# KiCad board jetson-nano-baseboard.kicad_pcb (continued)
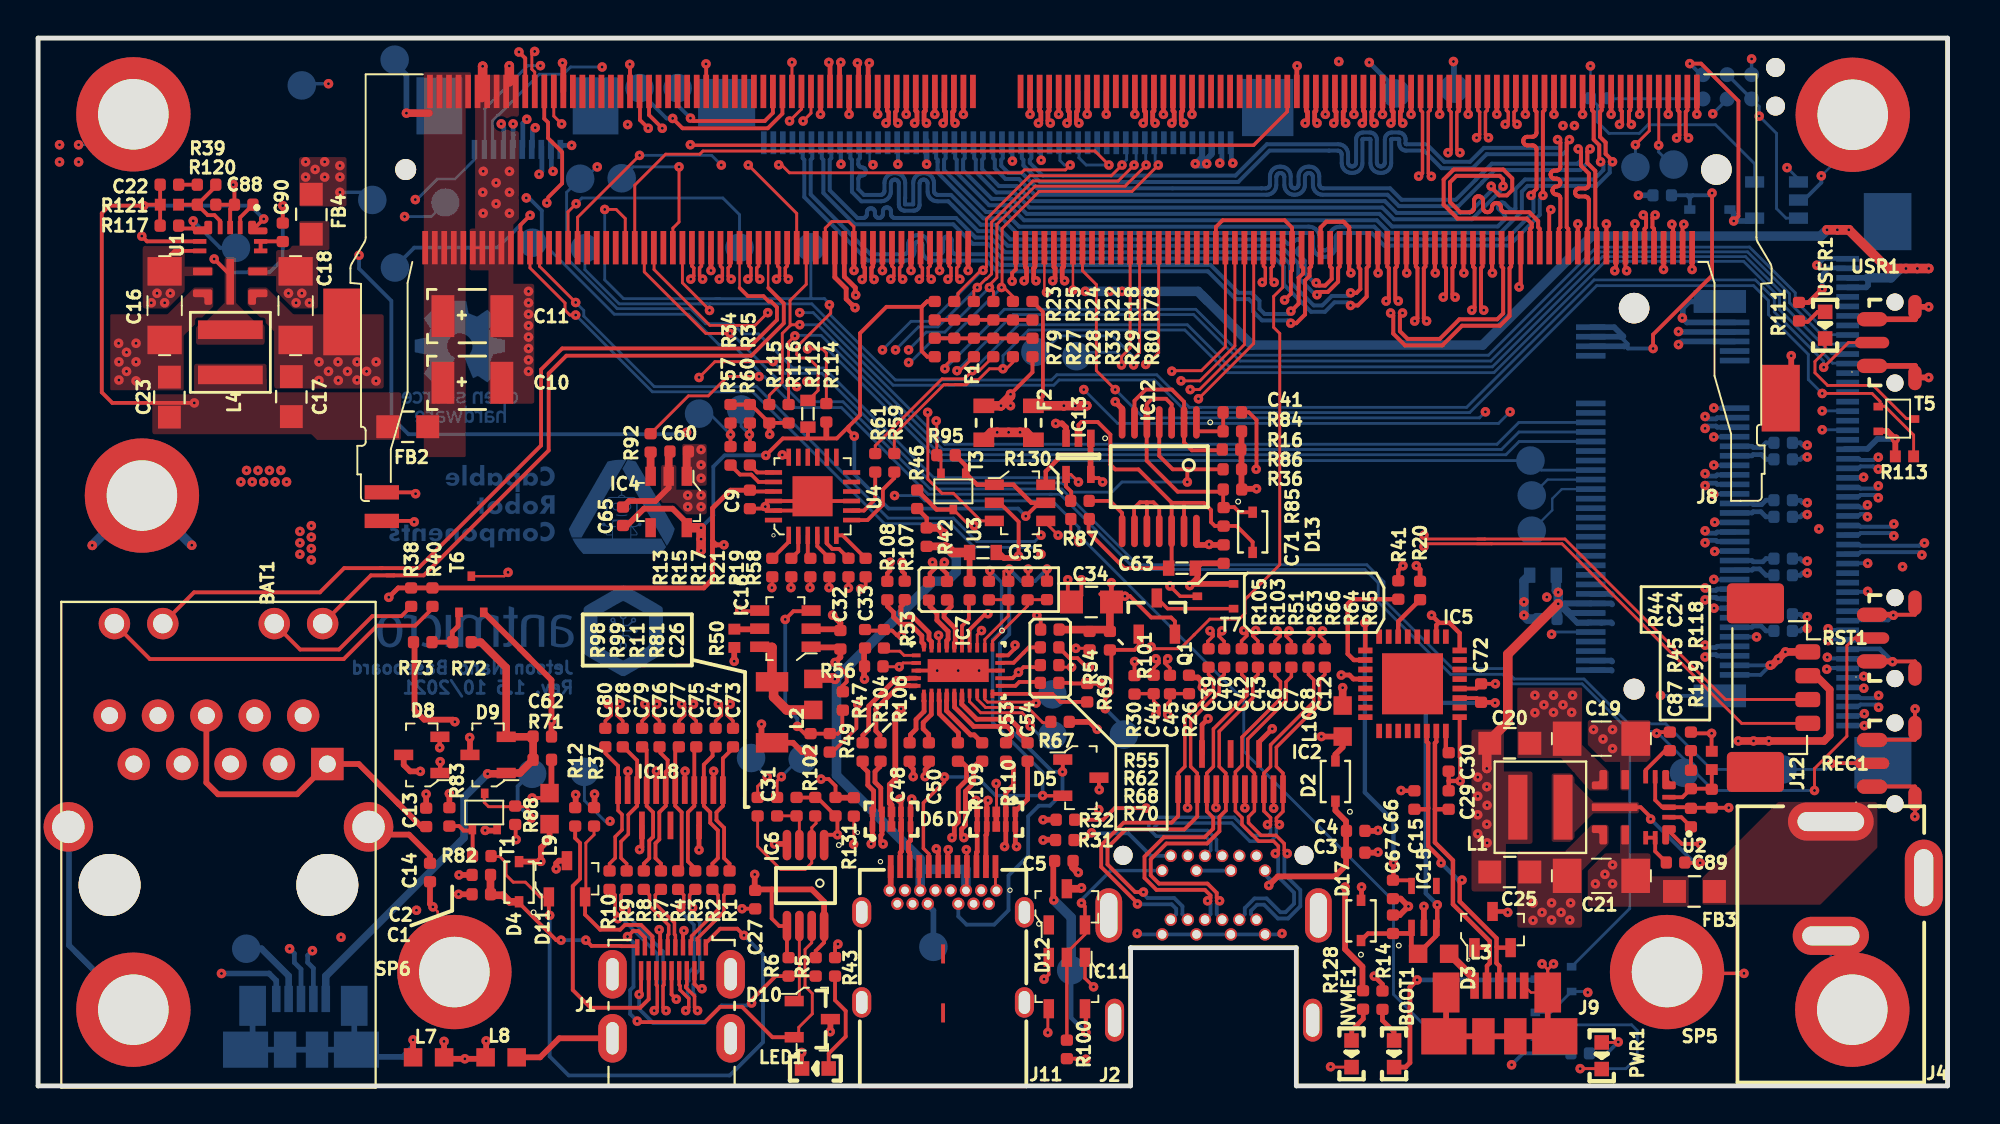
[diagram p0: board, top side]
## Routing (per net, layer and track width the routed paths; a pad name or vN(x,y) marks a point on that pad's centre or on a via; arc(x,y) is an arc through that point) (continued)
Net-(R72-Pad2): length 2.7
  Top w0.25: 20.67,23.29 21.77,23.29 21.74,23.32 21.74,23.83 22.04,24.13 22.04,24.81
Net-(R82-Pad2): length 2.6
  Top w0.2: 21.59,13.64 21.59,13.64 22.1,13.64 22.33,13.4 22.77,13.4 22.81,13.36 22.81,12.07
Net-(R111-Pad1): length 1.6
  Top w0.2: 92.43,40.16 92.48,40.11 92.89,40.11 93.41,40.63 USER1.A
Net-(R132-Pad2): length 5.4
  Bottom w0.15: 86.13,51.82 85.95,51.82 ; 85.95,51.82 82.47,51.82 82.45,51.84 ; 85.95,51.82 87.38,51.82 TP30.2 ; 87.39,51.82 87.39,51.53
Net-(T5-Pad3): length 8.3
  Top w0.15: USER1.K 93.8,38.56 93.27,38.02 93.27,37.43 93.93,36.77 96.33,36.77 98.07,35.03 98.58,35.03

## Copper pours and planes (outline as drawn; the poured copper is in the pictures)
3V3_SYS on Top: 76.94,16.51 78.44,16.51 78.44,12.71 77.04,12.71 77.04,10.21 75.24,10.21 75.24,18.71 76.94,18.71
3V3_SYS on Bottom: 84.5,38.78 84.5,21.3 82.5,21.28 82.5,39.98 83,39.98
3V3_SYS on In5_3V3_SYS_SIGNAL.Cu: 76.74,12.31 76.74,20.01 73.54,23.21 59.24,23.21 56.84,25.6 41.7,25.6 39.34,27.94 39.34,34.24 38.8,34.78 35.64,34.78 35.34,34.51 35.34,28.31 37.87,25.86 38.78,24.92 38.81,13.78 39.79,12.78 42.06,12.78 43.1,13.79 43.1,14.86 45.11,16.87 69.94,16.91 74.54,12.31
5V0_SYS on Top: 35.1,31.5 33.8,31.5 33.8,33.7 35.1,33.7
5V0_SYS on Top: 8.19,36.31 8.19,37.91 11.99,37.91 12.02,36.41 19.07,36.41 19.04,33.91 14.64,33.91 14.34,34.21 5.99,34.21 5.99,36.31
5V0_SYS on Bottom: 10.95,27.27 14.64,27.27 14.64,29.73 10.95,29.73
5V0_SYS on In1_5V0_SYS_VIN.Cu: 63.3,48.42 63.3,46.2 63.31,46.16 63.32,46.12 63.35,46.09 63.38,46.07 63.42,46.05 63.46,46.05 89.04,46.05 90.67,44.41 90.67,43.59 90.68,43.55 90.69,43.51 90.72,43.48 90.75,43.46 90.79,43.44 90.83,43.44 93.89,43.44 94.03,43.3 94.03,41.62 93.89,41.48 90.83,41.48 90.79,41.47 90.75,41.46 90.72,41.43 90.69,41.4 90.68,41.36 90.67,41.33 90.68,41.31 90.68,19.84 90.68,19.8 90.7,19.76 90.72,19.73 91.29,19.17 91.29,17.57 89.09,15.38 89.07,15.35 89.05,15.31 89.05,15.27 89.05,0.51 66.66,0.51 66.66,7.4 66.65,7.49 66.62,7.59 66.57,7.68 66.51,7.76 66.43,7.82 66.34,7.87 66.25,7.9 66.15,7.91 64.79,7.91 64.79,8.5 58.59,8.5 58.59,7.91 57.26,7.91 57.16,7.9 57.06,7.87 56.97,7.82 56.9,7.76 56.83,7.68 56.79,7.59 56.76,7.49 56.75,7.4 56.75,0.51 0.51,0.51 0.51,46 8.63,46 8.63,31.36 8.64,31.32 8.65,31.28 8.68,31.25 8.71,31.23 8.75,31.21 8.79,31.21 14.63,31.21 14.67,31.21 14.7,31.23 14.73,31.25 14.76,31.28 14.77,31.32 14.78,31.36 14.78,46.05 60.58,46.05 60.62,46.05 60.65,46.07 60.68,46.09 60.71,46.12 60.72,46.16 60.73,46.2 60.73,48.4 61.05,48.72 63,48.72
/Supply/3V3_SW on Top: 80.64,15.91 81.64,14.91 84.04,14.91 84.04,14.31 81.64,14.31 80.64,13.31 80.64,12.81 79.44,12.81 79.44,16.41 80.64,16.41
/Supply/3V3_VIN on Top: 81.34,11.31 82.24,12.21 83.04,12.21 83.04,13.71 83.54,13.71 83.54,12.21 84.64,12.21 84.64,11.01 86.64,11.01 86.64,9.41 81.34,9.41
/Supply/3V3_VIN on Top: 84.64,17.01 83.54,17.01 83.54,15.51 83.04,15.51 83.04,17.01 82.24,17.01 81.34,17.91 81.34,19.21 84.64,19.21
/Supply/3V3_VIN on In5_3V3_SYS_SIGNAL.Cu: 83.04,10.31 81.34,10.31 81.34,19.01 83.04,19.01
/Supply/5V_SW on Top: 8.79,40.11 9.79,41.11 9.79,43.51 10.39,43.51 10.39,41.11 11.39,40.11 11.89,40.11 11.89,38.91 8.29,38.91 8.29,40.11
/Supply/5V_VIN on Top: 13.39,40.81 12.49,41.71 12.49,42.51 10.99,42.51 10.99,43.01 12.49,43.01 12.49,44.11 13.69,44.11 13.69,45.41 15.29,45.41 15.29,43.86 14.69,43.86 14.69,40.81
/Supply/5V_VIN on Top: 7.69,44.11 7.69,43.01 9.19,43.01 9.19,42.51 7.69,42.51 7.69,41.71 6.79,40.81 5.49,40.81 5.49,44.11
/Supply/5V_VIN on Bottom: 15.34,40.61 4.54,40.61 5.94,42.01 13.94,42.01
GND on Top: 80.14,12.31 81.54,13.71 82.44,13.71 82.44,12.71 81.04,11.31 81.04,8.31 77.64,8.31 77.64,12.31
GND on Top: 81.04,17.91 82.44,16.51 82.44,15.51 81.44,15.51 79.94,17.21 77.64,17.21 77.64,20.91 81.04,20.91
GND on Top: 33.5,31.3 35.1,31.3 35.1,30 32.7,30 32.7,32.6 33.5,32.6
GND on Top: 25.23,53.08 22.94,53.08 22.94,45.01 22.64,45.01 22.64,42.81 23.64,42.81 23.64,35.81 26.04,35.81 26.04,42.11 24.94,42.11 24.94,45.21 25.24,45.51
GND on Top: 6.79,40.51 8.19,41.91 9.19,41.91 9.19,40.91 7.64,39.38 7.64,36.51 3.79,36.52 3.79,40.51
GND on Top: 12.39,39.61 10.99,41.01 10.99,41.91 11.99,41.91 13.39,40.51 18.14,40.51 18.14,36.61 12.39,36.61
GND on In4_GND.Cu: 99.72,0.51 66.66,0.51 66.66,7.4 66.65,7.49 66.62,7.59 66.57,7.68 66.51,7.76 66.43,7.82 66.34,7.87 66.25,7.9 66.15,7.91 64.79,7.91 64.79,8.5 58.59,8.5 58.59,7.91 57.26,7.91 57.16,7.9 57.06,7.87 56.97,7.82 56.9,7.76 56.83,7.68 56.79,7.59 56.76,7.49 56.75,7.4 56.75,0.51 39.02,0.51 39.02,7.75 39.01,7.85 39,8.6 38.8,8.8 38.75,8.8 28.05,8.75 28.02,10.9 28.01,10.95 27.98,10.99 27.94,11.02 27.89,11.03 25.99,11.03 25.94,11.02 25.9,10.99 25.88,10.95 25.87,10.9 25.87,0.51 18.78,0.51 19.4,1.13 19.42,1.16 19.43,1.2 19.43,25.03 19.44,25.05 19.45,25.1 19.44,25.15 19.42,25.19 19.37,25.22 19.33,25.23 0.51,25.23 0.51,54.49 99.72,54.49
GND on In6_GND.Cu: 99.74,0.51 66.68,0.51 66.68,7.4 66.67,7.49 66.64,7.59 66.59,7.68 66.53,7.76 66.45,7.82 66.36,7.87 66.27,7.9 66.17,7.91 64.81,7.91 64.81,8.5 58.61,8.5 58.61,7.91 57.28,7.91 57.18,7.9 57.08,7.87 56.99,7.82 56.92,7.76 56.85,7.68 56.8,7.59 56.78,7.49 56.77,7.4 56.77,0.51 39.04,0.51 39.04,7.8 39.03,7.85 39,7.89 38.8,8.09 38.76,8.12 38.71,8.13 28.04,8.13 28.04,10.9 28.03,10.95 28,10.99 27.96,11.02 27.91,11.03 26.01,11.03 25.96,11.02 25.92,10.99 25.9,10.95 25.89,10.9 25.89,0.51 18.8,0.51 19.42,1.13 19.44,1.16 19.45,1.2 19.45,25.03 19.46,25.05 19.47,25.1 19.46,25.15 19.44,25.19 19.39,25.22 19.35,25.23 0.53,25.23 0.53,54.49 99.74,54.49
VDD_MOD on Top: 22.44,33.01 20.24,33.01 20.24,53.21 22.74,53.21 22.74,51.31 22.44,51.31
VIN on Top: 96.54,12.51 93.54,9.51 87.34,9.51 87.34,10.91 91.34,14.91 96.54,14.91
VIN on Top: 16.19,46.16 13.69,46.16 13.69,48.76 16.19,48.76
VIN on Bottom: 10.38,31.33 13.8,31.33 13.8,34.84 10.38,34.84
VIN on In1_5V0_SYS_VIN.Cu: 99.72,0.51 89.35,0.51 89.35,15.21 91.54,17.4 91.57,17.44 91.58,17.47 91.59,17.51 91.59,19.23 91.58,19.27 91.57,19.3 91.54,19.33 90.98,19.9 90.98,41.17 93.95,41.17 93.99,41.18 94.03,41.19 94.06,41.22 94.29,41.45 94.31,41.48 94.33,41.52 94.33,41.55 94.33,43.36 94.33,43.4 94.31,43.43 94.29,43.47 94.06,43.69 94.03,43.72 93.99,43.73 93.95,43.74 90.98,43.74 90.98,44.48 90.97,44.52 90.96,44.55 90.93,44.58 89.21,46.3 89.18,46.33 89.15,46.34 89.11,46.35 63.61,46.35 63.61,48.48 63.6,48.52 63.59,48.55 63.56,48.59 63.17,48.98 63.14,49 63.1,49.02 63.07,49.02 60.98,49.02 60.94,49.02 60.91,49 60.88,48.98 60.47,48.57 60.45,48.54 60.43,48.5 60.42,48.46 60.42,46.35 14.75,46.35 14.73,46.36 14.7,46.39 14.67,46.4 14.63,46.41 14.59,46.4 14.55,46.39 14.52,46.36 14.5,46.33 14.48,46.29 14.48,46.26 14.48,31.51 8.94,31.51 8.94,46.15 8.93,46.19 8.92,46.23 8.89,46.26 8.86,46.28 8.82,46.3 8.79,46.3 0.51,46.3 0.51,54.49 99.72,54.49
(no net) on In1_5V0_SYS_VIN.Cu: 58.59,7 64.79,7 64.79,8.5 58.59,8.5
(no net) on In1_5V0_SYS_VIN.Cu: 60.39,10.9 63.79,10.9 63.79,11.7 60.39,11.7
(no net) on In4_GND.Cu: 58.59,7 64.79,7 64.79,8.5 58.59,8.5
(no net) on In4_GND.Cu: 60.39,10.9 63.79,10.9 63.79,11.7 60.39,11.7
EGND on In4_GND.Cu: 19.22,1.24 18.49,0.51 18.13,0.51 18.13,24.8 18.12,24.8 18.12,0.51 0.51,0.51 0.51,24.97 19.22,24.97
EGND on In6_GND.Cu: 19.22,1.24 18.49,0.51 18.13,0.51 18.13,24.8 18.12,24.8 18.12,0.51 0.51,0.51 0.51,24.97 19.22,24.97
HDMI_SHIELD on In4_GND.Cu: 27.8,8.6 27.9,8.5 38.8,8.5 38.77,7.75 38.77,0.51 26.12,0.51 26.12,10.77 27.8,10.77
HDMI_SHIELD on In6_GND.Cu: 27.77,8 27.78,7.95 27.8,7.91 27.84,7.88 27.89,7.87 38.64,7.87 38.77,7.75 38.77,0.51 26.12,0.51 26.12,10.77 27.77,10.77

## Text on the board
Bottom: Jetson Nano Baseboard / Rev. 1.5 10/2021
B.Mask: Jetson Nano Baseboard / Rev. 1.5 10/2021
B.SilkS: 5V_SYS | VIN
Dwgs.User: Recommended PCB finish: | Gold plating (ENIG, selective) | Solder mask: matt black | Silkscreen: white | The design includes high speed signaling | Suggested prepreg material is ISOLA PR2116 | Layer | 1 | 2 | 3 | 4 | 5 | 6 | 7 | 8 | 9 | 10 | 11 | 12 | 13 | 14 | 15 | 16 | 17 | Name | Top Solder | Top Layer | Dielectric 1 | Signal 1 | Dielectric 2 | Signal 2 | Dielectric 3 | Signal 3 | Dielectric 4 | Signal 4 | Dielectric 5 | Signal 5 | Dielectric 6 | Signal 6 | Dielectric 7 | Bottom Layer | Bottom Solder | Material | Solder Resist | Copper | Prepreg | FR-4 | Thickness | 0.02  mm | 0.018 mm | 0.12  mm | 0.035 mm | 0.2   mm | 0.24  mm | Constant | 3.5 | 4.2 | Recommended PCB stackup
